# Altium PCB stencil V1.0.PcbDoc (part 5 of 5)
Units mm, origin at the board's own origin, x right, y up, seen from the top; angles counter-clockwise.
Board outline 220 x 90 mm, 2 copper layers (Top Layer, Bottom Layer); 265 components, 68 nets, 1316 pads, 556 vias.
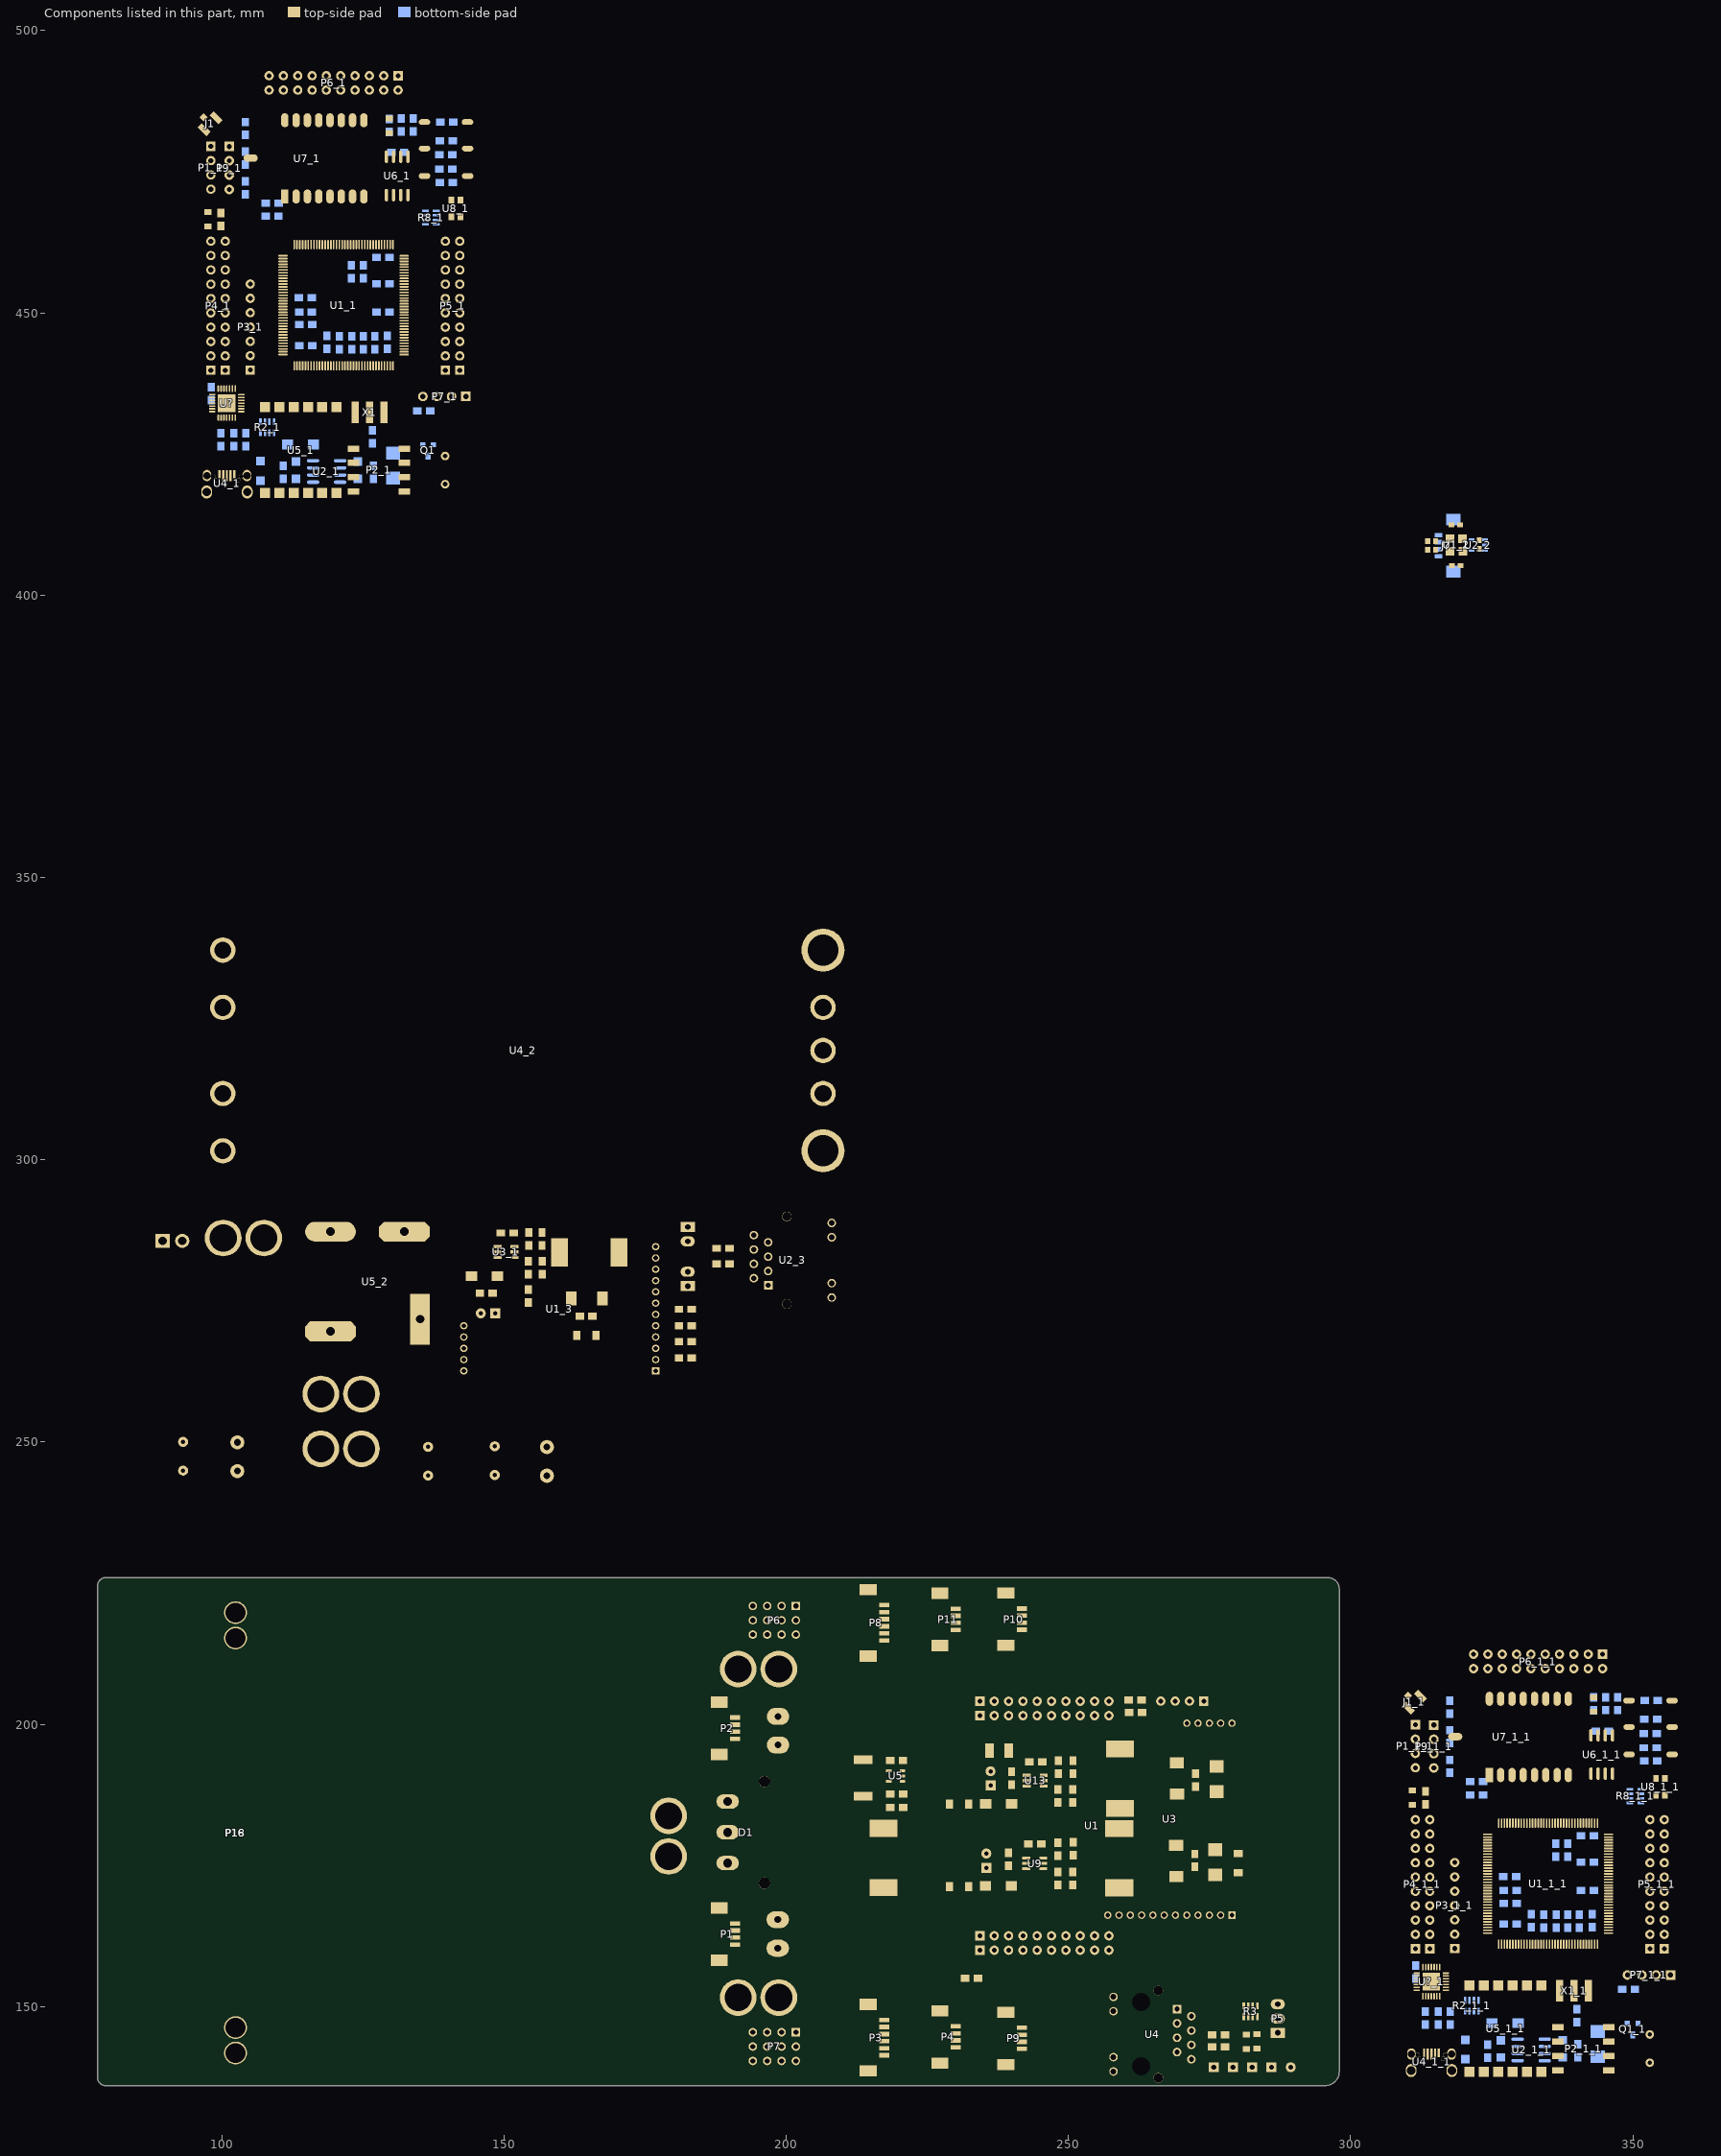
[diagram p5: the components of this part, seen from the top]

## Silkscreen, mask and mechanical layers (free items; w line width, h text height)
Top Overlay:
  drawing of 187 lines, arcs and shapes, not listed
  text "-" at 109.434,493.498 h3.81 r90
  text "E3" at 111.298,493.495 h1.52 r90
  text "A6" at 113.849,493.496 h1.52 r90
  text "B6" at 116.401,493.495 h1.52 r90
  text "C9" at 118.952,493.496 h1.52 r90
  text "C7" at 121.504,493.496 h1.52 r90
  text "C6" at 124.055,493.496 h1.52 r90
  text "A4" at 126.621,493.496 h1.52 r90
  text "D7" at 129.172,493.495 h1.52 r90
  text "3.3" at 131.811,493.434 h1.52 r90
  text "-" at 132.09,487.102 h3.81 r90
  text "E1" at 111.302,486.882 h1.52 r90
  text "E5" at 116.393,486.731 h1.52 r90
  text "E2" at 123.95,486.731 h1.52 r90
  text "E0" at 108.773,486.703 h1.52 r90
  text "E6" at 113.802,486.703 h1.52 r90
  text "B7" at 126.515,486.581 h1.52 r90
  text "C8" at 121.472,486.533 h1.52 r90
  text "D6" at 129.066,486.45 h1.52 r90
  text "C11" at 118.882,486.042 h1.52 r90
  text "3.3" at 96.632,478.702 h1.52 r90
  text "3.3" at 103.896,478.499 h1.52 r90
  text "-" at 104.303,476.39 h3.81 r90
  text "SDO" at 96.48,475.781 h1.52 r90
  text "D3" at 103.846,473.723 h1.52 r90
  text "SCK" at 96.505,473.038 h1.52 r90
  text "-" at 96.911,471.412 h3.81 r90
  text "D4" at 103.846,471.158 h1.52 r90
  text "集 / 美 / 大 / 学" at 125.334,464.986 h4.57 r90
  text "D12" at 103.211,461.963 h1.52 r90
  text "E13" at 144.638,461.938 h1.52 r90
  text "E14" at 137.958,461.836 h1.52 r90
  text "D13" at 96.429,461.785 h1.52 r90
  text "E11" at 144.638,459.406 h1.52 r90
  text "E12" at 137.958,459.347 h1.52 r90
  text "D14" at 103.185,459.322 h1.52 r90
  text "D15" at 96.429,459.195 h1.52 r90
  text "E10" at 137.958,456.858 h1.52 r90
  text "E9" at 144.634,456.875 h1.52 r90
  text "A15" at 103.16,456.604 h1.52 r90
  text "C12" at 96.429,456.578 h1.52 r90
  text "-" at 107.91,454.699 h3.81 r90
  text "B1" at 137.958,454.369 h1.52 r90
  text "B0" at 144.634,454.343 h1.52 r90
  text "D0" at 103.134,454.318 h1.52 r90
  text "D1" at 96.429,454.292 h1.52 r90
  text "G9" at 96.429,451.93 h1.52 r90
  text "C5" at 137.954,451.881 h1.52 r90
  text "C4" at 144.634,451.813 h1.52 r90
  text "D2" at 103.181,451.752 h1.52 r90
  text "G10" at 107.63,451.702 h1.52 r90
  text "B3" at 96.425,449.403 h1.52 r90
  text "A5" at 137.938,449.392 h1.52 r90
  text "A9" at 144.638,449.282 h1.52 r90
  text "G11" at 107.63,449.111 h1.52 r90
  text "G14" at 103.185,448.857 h1.52 r90
  text "B5" at 96.409,446.876 h1.52 r90
  text "C3" at 144.634,446.75 h1.52 r90
  text "B4" at 103.134,446.622 h1.52 r90
  text "A10" at 137.983,446.571 h1.52 r90
  text "G12" at 107.605,446.52 h1.52 r90
  text "-" at 103.617,444.463 h3.81 r90
  text "C2" at 137.954,444.413 h1.52 r90
  text "C1" at 144.638,444.218 h1.52 r90
  text "3.3" at 96.581,444.132 h1.52 r90
  text "G13" at 107.63,443.904 h1.52 r90
  text "-" at 103.642,441.999 h3.81 r90
  text "F9" at 137.954,441.923 h1.52 r90
  text "5V" at 96.409,441.821 h1.52 r90
  text "F8" at 144.634,441.686 h1.52 r90
  text "3.3" at 107.681,441.44 h1.52 r90
  text "F7" at 137.938,439.433 h1.52 r90
  text "-" at 108.113,439.332 h3.81 r90
  text "F6" at 144.634,439.154 h1.52 r90
  text "BT0" at 103.287,438.824 h1.52 r90
  text "A9" at 141.514,437.782 h1.52 r180
  text "A10" at 139.406,437.757 h1.52 r180
  text "+5" at 136.027,436.792 h1.52 r90
  text "-" at 144.206,436.792 h3.81 r90
  text "24/48V" at 96.429,436.665 h1.52 r90
  text "RX" at 138.72,432.321 h1.52 r90
  text "TX" at 141.107,432.296 h1.52 r90
  text "自 / 强 / 不 / 息" at 144.917,430.086 h2.54 r90
  text "1" at 126.934,428.511 h2.54 r90
  text "0" at 130.897,428.308 h2.54 r90
  text "X" at 100.909,428.263 h0.89 r270
  text "传 / 承 / 创 / 新" at 140.98,427.394 h2.54 r90
  text "E8" at 143.444,426.962 h1.52 r90
  text "Y" at 99.41,426.434 h0.89 r90
  text "BT1" at 134.427,425.006 h1.52 r90
  text "Z" at 103.719,423.965 h0.89 r270
  text "F3" at 134.427,422.923 h1.52 r90
  text "F5" at 134.478,420.256 h1.52 r90
  text "F4" at 134.554,417.843 h1.52 r90
  text "+220V" at 94.373,325.545 h5.08 r90
  text "+" at 185.153,284.346 h2.03
  text "+" at 185.254,276.803 h2.03
  text "集美大学" at 182.058,253.846 h7.62 r30
  text "V2.0" at 205.058,252.846 h5.08 r30
  text "ROV电源控制板" at 172.714,240.586 h7 r30
  text "92 (mm)" at 119.15,227.986 h1.52
  text "P" at 182.515,225.47 h1.35 r270
  text "设" at 184.276,225.193 h1.35 r270
  text "编" at 186.036,225.193 h1.35 r270
  text "W" at 182.515,224.636 h1.35 r270
  text "备" at 184.276,223.803 h1.35 r270
  text "号" at 186.036,223.803 h1.35 r270
  text "M" at 182.515,223.339 h1.35 r270
  text "①" at 193.2,223.1 h2.03
  text "②" at 195.767,223.1 h2.03
  text "③" at 198.333,223.1 h2.03
  text "④" at 200.9,223.1 h2.03
  text "左" at 184.276,221.865 h1.35 r270
  text "E" at 182.515,221.588 h1.35 r270
  text "①" at 186.036,221.218 h1.35 r270
  text "1" at 182.515,220.846 h1.35 r270
  text "+3.3V" at 218.695,220.574 h1.52
  text "下" at 184.276,220.475 h1.35 r270
  text "1" at 182.515,220.105 h1.35 r270
  text "S" at 203.5,220.1 h2.03
  text "+3.3V" at 231.242,220.015 h1.52
  text "+3.3V" at 243.078,219.862 h1.52
  text "NSS(A15)" at 218.694,219.446 h1.52
  text "左" at 184.276,218.907 h1.35 r270
  text "RX(G9)" at 243.077,218.787 h1.52
  text "D" at 182.515,218.722 h1.35 r270
  text "D0" at 231.24,218.717 h1.52
  text "SCK(B3)" at 218.694,218.191 h1.52
  text "②" at 186.036,218.167 h1.35 r270
  text "1" at 182.515,217.703 h1.35 r270
  text "④24V" at 203.4,217.7 h2.03
  text "TX(G14)" at 243.077,217.585 h1.52
  text "中" at 184.276,217.517 h1.35 r270
  text "D1" at 231.24,217.413 h1.52
  text "2" at 182.515,216.961 h1.35 r270
  text "MISO(B4)" at 218.694,216.936 h1.52
  text "GND" at 243.077,216.256 h1.52
  text "GND" at 231.24,216.129 h1.52
  text "左" at 184.276,215.949 h1.35 r270
  text "左上" at 147.81,215.748 h3.81
  text "E" at 182.515,215.671 h1.35 r270
  text "MOSI(B5)" at 218.694,215.681 h1.52
  text "③" at 186.036,215.301 h1.35 r270
  text "1" at 182.515,214.93 h1.35 r270
  text "-" at 203.5,214.9 h3.05
  text "上" at 184.276,214.558 h1.35 r270
  text "GND" at 218.694,214.3 h1.52
  text "3" at 182.515,214.188 h1.35 r270
  text "-" at 322.834,213.898 h3.81 r90
  text "E3" at 324.698,213.895 h1.52 r90
  text "A6" at 327.249,213.896 h1.52 r90
  text "B6" at 329.801,213.895 h1.52 r90
  text "C9" at 332.352,213.896 h1.52 r90
  text "C7" at 334.904,213.896 h1.52 r90
  text "C6" at 337.455,213.896 h1.52 r90
  text "A4" at 340.021,213.896 h1.52 r90
  text "D7" at 342.572,213.895 h1.52 r90
  text "3.3" at 345.211,213.834 h1.52 r90
  text "机" at 184.276,212.99 h1.35 r270
  text "D" at 182.515,212.158 h1.35 r270
  text "械" at 184.276,211.6 h1.35 r270
  text "④" at 186.036,211.604 h1.35 r270
  text "1" at 182.515,211.139 h1.35 r270
  text "4" at 182.515,210.398 h1.35 r270
  text "臂" at 184.276,210.21 h1.35 r270
  text "E13" at 162.916,209.88 h3.81
  text "①" at 138.405,209.042 h5.08
  text "-" at 345.49,207.502 h3.81 r90
  text "E1" at 324.702,207.282 h1.52 r90
  text "↑" at 185.3,207.2 h2.03 r318.81
  text "E5" at 329.793,207.131 h1.52 r90
  text "E2" at 337.35,207.131 h1.52 r90
  text "E0" at 322.173,207.103 h1.52 r90
  text "E6" at 327.202,207.103 h1.52 r90
  text "B7" at 339.915,206.981 h1.52 r90
  text "C8" at 334.872,206.933 h1.52 r90
  text "D6" at 342.466,206.85 h1.52 r90
  text "C11" at 332.282,206.442 h1.52 r90
  text "12V" at 201.6,203.4 h2.03 r270
  text "预" at 179.393,203.207 h2.22 r270
  text "12V" at 190.5,203 h2.03
  text "U" at 170.697,201.515 h2.22 r270
  text "留" at 179.393,200.919 h2.22 r270
  text "3.3" at 182.6,200.8 h1.52
  text "I" at 173.596,200.131 h2.22 r270
  text "S" at 176.494,200.131 h2.22 r270
  text "A" at 170.697,199.837 h2.22 r270
  text "2" at 173.596,199.521 h2.22 r270
  text "SDO" at 182.6,199.5 h1.52
  text "3.3" at 310.032,199.102 h1.52 r90
  text "P" at 176.494,198.91 h2.22 r270
  text "3.3" at 317.296,198.899 h1.52 r90
  text "接" at 179.393,198.63 h2.22 r270
  text "R" at 170.697,198.312 h2.22 r270
  text "C" at 173.596,198.3 h2.22 r270
  text "SCK" at 182.6,198.3 h1.52
  text "GND" at 201.6,198 h2.03 r270
  text "I" at 176.494,197.537 h2.22 r270
  text "GND" at 182.6,197 h1.52
  text "T" at 170.697,196.938 h2.22 r270
  text "-" at 317.703,196.79 h3.81 r90
  text "口" at 179.393,196.342 h2.22 r270
  text "SDO" at 309.88,196.181 h1.52 r90
  text "↑" at 184.1,194.6 h2.03 r303.69
  text "D3" at 317.246,194.123 h1.52 r90
  text "SCK" at 309.905,193.438 h1.52 r90
  text "-" at 310.311,191.812 h3.81 r90
  text "D4" at 317.246,191.558 h1.52 r90
  text "90 (mm)" at 74.13,185.949 h1.52 r270.06
  text "左中" at 148.04,185.87 h3.81
  text "集 / 美 / 大 / 学" at 338.734,185.386 h4.57 r90
  text "D12" at 316.611,182.363 h1.52 r90
  text "E13" at 358.038,182.338 h1.52 r90
  text "E14" at 351.358,182.236 h1.52 r90
  text "D13" at 309.829,182.185 h1.52 r90
  text "↑" at 173,181.6 h2.03 r270
  text "E11" at 358.038,179.806 h1.52 r90
  text "E12" at 351.358,179.747 h1.52 r90
  text "D14" at 316.585,179.722 h1.52 r90
  text "D15" at 309.829,179.595 h1.52 r90
  text "D12" at 162.839,178.867 h3.81
  text "②" at 138.252,178.816 h5.08
  text "E10" at 351.358,177.258 h1.52 r90
  text "E9" at 358.034,177.275 h1.52 r90
  text "A15" at 316.56,177.004 h1.52 r90
  text "C12" at 309.829,176.978 h1.52 r90
  text "-" at 321.31,175.099 h3.81 r90
  text "B1" at 351.358,174.769 h1.52 r90
  text "B0" at 358.034,174.743 h1.52 r90
  text "D0" at 316.534,174.718 h1.52 r90
  text "D1" at 309.829,174.692 h1.52 r90
  text "垂推" at 148.209,173.152 h3.81
  text "G9" at 309.829,172.33 h1.52 r90
  text "C5" at 351.354,172.281 h1.52 r90
  text "C4" at 358.034,172.213 h1.52 r90
  text "D2" at 316.581,172.152 h1.52 r90
  text "G10" at 321.03,172.102 h1.52 r90
  text "B3" at 309.825,169.803 h1.52 r90
  text "A5" at 351.338,169.792 h1.52 r90
  text "变" at 176.761,169.732 h2.25 r270
  text "A9" at 358.038,169.682 h1.52 r90
  text "G11" at 321.03,169.511 h1.52 r90
  text "G14" at 316.585,169.257 h1.52 r90
  text "4" at 170.875,168.65 h2.25 r270
  text "预" at 179.704,168.65 h2.25 r270
  text "U" at 173.818,168.495 h2.25 r270
  text "路" at 170.875,167.411 h2.25 r270
  text "焦" at 176.761,167.409 h2.25 r270
  text "B5" at 309.809,167.276 h1.52 r90
  text "C3" at 358.034,167.15 h1.52 r90
  text "B4" at 316.534,167.022 h1.52 r90
  text "A10" at 351.383,166.971 h1.52 r90
  text "G12" at 321.005,166.92 h1.52 r90
  text "S" at 173.818,166.791 h2.25 r270
  text "5V" at 190.9,166.6 h2.03
  text "5V" at 201.7,166.4 h2.03 r270
  text "留" at 179.704,166.326 h2.25 r270
  text "B" at 173.818,165.552 h2.25 r270
  text "P" at 170.875,165.087 h2.25 r270
  text "摄" at 176.761,165.085 h2.25 r270
  text "-" at 317.017,164.863 h3.81 r90
  text "C2" at 351.354,164.813 h1.52 r90
  text "C1" at 358.038,164.618 h1.52 r90
  text "3.3" at 309.981,164.532 h1.52 r90
  text "3.3V" at 182.4,164.3 h1.52
  text "G13" at 321.03,164.304 h1.52 r90
  text "接" at 173.818,164.158 h2.25 r270
  text "接" at 179.704,164.003 h2.25 r270
  text "W" at 170.875,163.693 h2.25 r270
  text "SCL" at 183.1,163 h1.52
  text "像" at 176.761,162.762 h2.25 r270
  text "-" at 317.042,162.399 h3.81 r90
  text "F9" at 351.354,162.323 h1.52 r90
  text "5V" at 309.809,162.221 h1.52 r90
  text "F8" at 358.034,162.086 h1.52 r90
  text "GND" at 201.6,162 h2.03 r270
  text "3.3" at 321.081,161.84 h1.52 r90
  text "口" at 173.818,161.834 h2.25 r270
  text "SDA" at 183.1,161.7 h1.52
  text "口" at 179.704,161.679 h2.25 r270
  text "M" at 170.875,161.524 h2.25 r270
  text "头" at 176.761,160.438 h2.25 r270
  text "GND" at 183.1,160.3 h1.52
  text "F7" at 351.338,159.833 h1.52 r90
  text "-" at 321.513,159.732 h3.81 r90
  text "F6" at 358.034,159.554 h1.52 r90
  text "BT0" at 316.687,159.224 h1.52 r90
  text "A9" at 354.914,158.182 h1.52 r180
  text "A10" at 352.806,158.157 h1.52 r180
  text "↑" at 191.5,157.3 h2.03 r48.81
  text "+5" at 349.427,157.192 h1.52 r90
  text "-" at 357.606,157.192 h3.81 r90
  text "24/48V" at 309.829,157.065 h1.52 r90
  text "右上" at 147.814,155.626 h3.81
  text "↑" at 186.7,155.5 h2.03 r228.81
  text "P" at 182.488,153.245 h1.42 r270
  text "设" at 184.346,152.953 h1.42 r270
  text "编" at 186.203,152.953 h1.42 r270
  text "RX" at 352.12,152.721 h1.52 r90
  text "TX" at 354.507,152.696 h1.52 r90
  text "W" at 182.488,152.365 h1.42 r270
  text "-" at 287.553,152.019 h5.08 r270
  text "备" at 184.346,151.486 h1.42 r270
  text "号" at 186.203,151.486 h1.42 r270
  text "M" at 182.488,150.997 h1.42 r270
  text "自 / 强 / 不 / 息" at 358.317,150.486 h2.54 r90
  text "E9" at 163.373,149.631 h3.81
  text "右" at 184.346,149.442 h1.42 r270
  text "E" at 182.488,149.15 h1.42 r270
  text "+5" at 288.544,149.098 h2.54 r270
  text "1" at 340.334,148.911 h2.54 r90
  text "③" at 138.252,148.768 h5.08
  text "⑤" at 186.203,148.76 h1.42 r270
  text "0" at 344.297,148.708 h2.54 r90
  text "X" at 314.309,148.663 h0.89 r270
  text "+" at 290.5,148.4 h2.03 r270
  text "1" at 182.488,148.368 h1.42 r270
  text "下" at 184.346,147.976 h1.42 r270
  text "传 / 承 / 创 / 新" at 354.38,147.794 h2.54 r90
  text "4" at 182.488,147.586 h1.42 r270
  text "E8" at 356.844,147.362 h1.52 r90
  text "+5.0V" at 218.821,147.041 h1.52
  text "Y" at 312.81,146.834 h0.89 r90
  text "+5" at 288.493,146.355 h2.54 r270
  text "右" at 184.346,146.322 h1.42 r270
  text "D" at 182.488,146.127 h1.42 r270
  text "+" at 290.52,145.9 h2.03 r270
  text "+5.0V" at 231.343,145.872 h1.52
  text "D-" at 218.82,145.78 h1.52
  text "TIM3(B0)" at 243.002,145.72 h1.52
  text "⑥" at 186.203,145.542 h1.42 r270
  text "BT1" at 347.827,145.406 h1.52 r90
  text "1" at 182.488,145.052 h1.42 r270
  text "中" at 184.346,144.856 h1.42 r270
  text "S" at 203.4,144.7 h2.03
  text "D-" at 231.342,144.704 h1.52
  text "D+" at 218.82,144.53 h1.52
  text "TIM3(B1)" at 243.002,144.424 h1.52
  text "Z" at 317.119,144.365 h0.89 r270
  text "3" at 182.488,144.27 h1.42 r270
  text "D+" at 231.342,143.485 h1.52
  text "F3" at 347.827,143.323 h1.52 r90
  text "GND" at 218.82,143.292 h1.52
  text "右" at 184.346,143.202 h1.42 r270
  text "TIM10(F6)" at 243.002,143.18 h1.52
  text "E" at 182.488,142.52 h1.42 r270
  text "⑦" at 186.203,142.52 h1.42 r270
  text "⑧5V" at 203.4,142.3 h1.52
  text "GND" at 231.342,142.24 h1.52
  text "TX(C12)" at 218.7,142.1 h1.52
  text "TIM11(F7)" at 243.002,141.91 h1.52
  text "9" at 182.488,141.738 h1.42 r270
  text "上" at 184.346,141.736 h1.42 r270
  text "RX(D2)" at 218.82,140.919 h1.52
  text "F5" at 347.878,140.656 h1.52 r90
  text "云" at 184.346,139.79 h1.42 r270
  text "D" at 182.488,139.692 h1.42 r270
  text "-" at 203.4,139.4 h3.05
  text "⑧" at 186.203,139.107 h1.42 r270
  text "1" at 182.488,138.617 h1.42 r270
  text "台" at 184.346,138.323 h1.42 r270
  text "F4" at 347.954,138.243 h1.52 r90
  text "5" at 182.488,137.835 h1.42 r270
  text "⑤" at 193.1,137.2 h2.03
  text "⑥" at 195.633,137.2 h2.03
  text "⑦" at 198.167,137.2 h2.03
  text "⑧" at 200.7,137.2 h2.03
  text "220 (mm)" at 182.388,132.986 h1.52
Bottom Overlay:
  lines w0.254: 109.322,471.302 109.957,471.937 ; 109.932,470.641 109.297,471.276 113.31,471.276 113.31,475.416 ; 111.76,471.276 ccw(c113.31,471.276) 114.004,472.663 ; 112.675,474.781 113.31,475.416 ; 113.945,474.781 113.31,475.416 ; 114.006,472.194 113.564,472.8 114.34,473.027 ; 322.722,191.702 323.357,192.337 ; 323.332,191.041 322.697,191.676 326.71,191.676 326.71,195.816 ; 325.16,191.676 ccw(c326.71,191.676) 327.404,193.063 ; 326.075,195.181 326.71,195.816 ; 327.345,195.181 326.71,195.816 ; 327.406,192.594 326.964,193.2 327.74,193.427
  text "3.3" at 131.811,495.186 h1.52 r90
  text "A4" at 126.669,495.051 h1.52 r90
  text "A6" at 113.954,495.023 h1.52 r90
  text "D7" at 129.209,494.968 h1.52 r90
  text "C7" at 121.574,494.886 h1.52 r90
  text "C6" at 124.114,494.893 h1.52 r90
  text "C9" at 119.034,494.879 h1.52 r90
  text "B6" at 116.494,494.851 h1.52 r90
  text "E3" at 111.413,494.693 h1.52 r90
  text "-" at 109.561,494.323 h3.81 r90
  text "E0" at 108.824,487.871 h1.52 r90
  text "E1" at 111.353,487.871 h1.52 r90
  text "E6" at 113.853,487.871 h1.52 r90
  text "E5" at 116.367,487.871 h1.52 r90
  text "E2" at 123.925,487.871 h1.52 r90
  text "B7" at 126.439,487.871 h1.52 r90
  text "D6" at 128.939,487.871 h1.52 r90
  text "C11" at 118.882,487.87 h1.52 r90
  text "C8" at 121.396,487.87 h1.52 r90
  text "-" at 132.141,487.868 h3.81 r90
  text "X" at 111.964,474.273 h0.89 r270
  text "Y" at 110.465,472.445 h0.89 r90
  text "Z" at 115.276,470.726 h0.89 r270
  text "D12" at 103.211,464.071 h1.52 r90
  text "D13" at 96.378,463.894 h1.52 r90
  text "E14" at 137.983,463.767 h1.52 r90
  text "E13" at 144.613,463.69 h1.52 r90
  text "D14" at 103.134,461.404 h1.52 r90
  text "D15" at 96.378,461.379 h1.52 r90
  text "E12" at 137.932,461.201 h1.52 r90
  text "E11" at 144.613,461.15 h1.52 r90
  text "A15" at 103.185,458.788 h1.52 r90
  text "E10" at 137.958,458.712 h1.52 r90
  text "C12" at 96.429,458.534 h1.52 r90
  text "E9" at 144.638,458.204 h1.52 r90
  text "B0" at 144.608,455.867 h1.52 r90
  text "D0" at 103.16,455.816 h1.52 r90
  text "D1" at 96.48,455.664 h1.52 r90
  text "B1" at 137.983,455.588 h1.52 r90
  text "G9" at 96.403,453.378 h1.52 r90
  text "C4" at 144.608,453.337 h1.52 r90
  text "C5" at 137.979,453.278 h1.52 r90
  text "D2" at 103.16,453.226 h1.52 r90
  text "G14" at 103.185,451.117 h1.52 r90
  text "A5" at 137.963,450.789 h1.52 r90
  text "A9" at 144.613,450.806 h1.52 r90
  text "B3" at 96.429,450.686 h1.52 r90
  text "A10" at 137.958,448.806 h1.52 r90
  text "C3" at 144.608,448.274 h1.52 r90
  text "B5" at 96.378,448.247 h1.52 r90
  text "B4" at 103.134,447.968 h1.52 r90
  text "3.3" at 96.581,445.885 h1.52 r90
  text "C2" at 137.979,445.81 h1.52 r90
  text "C1" at 144.613,445.742 h1.52 r90
  text "-" at 103.617,445.326 h3.81 r90
  text "5V" at 96.384,443.37 h1.52 r90
  text "F9" at 137.979,443.32 h1.52 r90
  text "F8" at 144.608,443.21 h1.52 r90
  text "-" at 103.642,442.862 h3.81 r90
  text "BT0" at 103.312,440.983 h1.52 r90
  text "F7" at 137.963,440.83 h1.52 r90
  text "F6" at 144.608,440.678 h1.52 r90
  text "24/48V" at 96.403,440.653 h1.52 r90
  text "+5" at 136.053,438.214 h1.52 r90
  text "TX" at 141.336,438.214 h1.52 r90
  text "RX" at 138.644,438.189 h1.52 r90
  text "-" at 144.181,437.655 h3.81 r90
  text "USART1" at 144.409,432.779 h1.52
  text "VCC" at 314.941,410.203 h1.27
  text "SCL" at 314.814,408.679 h1.27
  text "SDA" at 314.814,407.663 h1.27
  text "GND" at 314.687,406.52 h1.27
  text "3.3" at 345.211,215.586 h1.52 r90
  text "A4" at 340.069,215.451 h1.52 r90
  text "A6" at 327.354,215.423 h1.52 r90
  text "D7" at 342.609,215.368 h1.52 r90
  text "C9" at 332.434,215.279 h1.52 r90
  text "C7" at 334.974,215.286 h1.52 r90
  text "C6" at 337.514,215.293 h1.52 r90
  text "B6" at 329.894,215.251 h1.52 r90
  text "E3" at 324.813,215.093 h1.52 r90
  text "-" at 322.961,214.723 h3.81 r90
  text "④" at 138.379,212.649 h5.08 r180
  text "E11" at 162.992,212.471 h3.81 r180
  text "E0" at 322.224,208.271 h1.52 r90
  text "E1" at 324.753,208.271 h1.52 r90
  text "E6" at 327.253,208.271 h1.52 r90
  text "E5" at 329.767,208.271 h1.52 r90
  text "C11" at 332.282,208.27 h1.52 r90
  text "C8" at 334.796,208.27 h1.52 r90
  text "E2" at 337.325,208.271 h1.52 r90
  text "B7" at 339.839,208.271 h1.52 r90
  text "D6" at 342.339,208.271 h1.52 r90
  text "-" at 345.541,208.268 h3.81 r90
  text "左下" at 147.824,206.502 h3.81 r180
  text "X" at 325.364,194.673 h0.89 r270
  text "Y" at 323.865,192.845 h0.89 r90
  text "Z" at 328.676,191.126 h0.89 r270
  text "垂推" at 147.828,188.722 h3.81 r180
  text "D12" at 316.611,184.471 h1.52 r90
  text "D13" at 309.778,184.294 h1.52 r90
  text "E14" at 351.383,184.167 h1.52 r90
  text "E13" at 358.013,184.09 h1.52 r90
  text "⑤" at 138.252,182.372 h5.08 r180
  text "D14" at 316.534,181.804 h1.52 r90
  text "D15" at 309.778,181.779 h1.52 r90
  text "D13" at 162.789,181.712 h3.81 r180
  text "E12" at 351.332,181.601 h1.52 r90
  text "E11" at 358.013,181.55 h1.52 r90
  text "A15" at 316.585,179.188 h1.52 r90
  text "E10" at 351.358,179.112 h1.52 r90
  text "C12" at 309.829,178.934 h1.52 r90
  text "E9" at 358.038,178.604 h1.52 r90
  text "右中" at 148.043,176.686 h3.81 r180
  text "B0" at 358.008,176.267 h1.52 r90
  text "D0" at 316.56,176.216 h1.52 r90
  text "D1" at 309.88,176.064 h1.52 r90
  text "B1" at 351.383,175.988 h1.52 r90
  text "G9" at 309.803,173.778 h1.52 r90
  text "C4" at 358.008,173.737 h1.52 r90
  text "C5" at 351.379,173.678 h1.52 r90
  text "D2" at 316.56,173.626 h1.52 r90
  text "G14" at 316.585,171.517 h1.52 r90
  text "A5" at 351.363,171.189 h1.52 r90
  text "A9" at 358.013,171.206 h1.52 r90
  text "B3" at 309.829,171.086 h1.52 r90
  text "A10" at 351.358,169.206 h1.52 r90
  text "C3" at 358.008,168.674 h1.52 r90
  text "B5" at 309.778,168.647 h1.52 r90
  text "B4" at 316.534,168.368 h1.52 r90
  text "3.3" at 309.981,166.285 h1.52 r90
  text "C2" at 351.379,166.21 h1.52 r90
  text "C1" at 358.013,166.142 h1.52 r90
  text "-" at 317.017,165.726 h3.81 r90
  text "5V" at 309.784,163.77 h1.52 r90
  text "F9" at 351.379,163.72 h1.52 r90
  text "F8" at 358.008,163.61 h1.52 r90
  text "-" at 317.042,163.262 h3.81 r90
  text "BT0" at 316.712,161.383 h1.52 r90
  text "F7" at 351.363,161.23 h1.52 r90
  text "F6" at 358.008,161.078 h1.52 r90
  text "24/48V" at 309.803,161.053 h1.52 r90
  text "+5" at 349.453,158.614 h1.52 r90
  text "TX" at 354.736,158.614 h1.52 r90
  text "RX" at 352.044,158.589 h1.52 r90
  text "-" at 357.581,158.055 h3.81 r90
  text "USART1" at 357.809,153.179 h1.52
  text "E14" at 163.398,152.4 h3.81 r180
  text "⑥" at 138.074,152.248 h5.08 r180
  text "." at 138.43,148.082 h5.08 r180
  text "右下" at 147.828,146.837 h3.81 r180
Top Solder:
  text "诚以待人" at 292.894,223.037 h3.81 r270
  text "传承创新" at 80.012,222.072 h3.81 r270
  text "集美大学" at 263,218 h7.62
  text "iRobot" at 270,212 h6.35
  text "毅以处事" at 292.97,153.391 h3.81 r270
  text "自强不息" at 79.733,153.289 h3.81 r270
Bottom Solder:
  lines w0.254: 145.868,137.452 cw(c144.327,137.532) 144.247,135.992 158.081,135.992 158.09,136 cw(c158.055,137.487) 156.568,137.452 ; 146.86,224.549 ccw(c145.374,224.514) 145.339,226.001 145.347,226.009 159.182,226.009 ccw(c159.101,224.468) 157.56,224.549

## Text inside footprints (layer, text, board x,y; h text height)
1: Top Overlay "1918" at 255.759,215.109 h1.27
1_1: Top Overlay "+" at 124.066,242.921 h3; Top Overlay "+" at 123.075,244.597 h2.03; Top Overlay "-" at 119.189,244.8 h2.03
C4_2: Top Overlay "+" at 147.789,271.9 h2 r180
C7: Top Overlay "+" at 234.568,175.235 h2 r90
C12: Top Overlay "+" at 235.305,189.814 h2 r90
Designator52: Top Overlay "1918" at 99.949,267.586 h1.27 r90
LOGO: Bottom Overlay "1918" at 126.828,473.137 h1.27 r90
LOGO_1: Bottom Overlay "1918" at 340.228,193.537 h1.27 r90
P1_2: Top Overlay "+" at 106.781,280.253 h3; Top Overlay "+" at 105.79,281.929 h2.03; Top Overlay "-" at 101.904,282.132 h2.03
P3_2: Top Overlay "+" at 124.066,252.624 h3; Top Overlay "+" at 123.075,254.3 h2.03; Top Overlay "-" at 119.189,254.503 h2.03
P12: Top Overlay "V" at 194.256,160.851 h1.27 r270; Top Overlay "V" at 194.256,165.904 h1.27 r270
P13: Top Overlay "V" at 194.305,196.844 h1.27 r270; Top Overlay "V" at 194.305,201.897 h1.27 r270
P14: Top Overlay "+" at 198.006,203.907 h3; Top Overlay "+" at 197.016,205.584 h2.03; Top Overlay "-" at 193.129,205.787 h2.03
P15: Top Overlay "+" at 173.304,177.317 h3 r270; Top Overlay "+" at 174.981,178.308 h2.03 r270; Top Overlay "-" at 175.184,182.194 h2.03 r270
P16: Bottom Overlay "Electric Wire Connector" at 100.106,148.788 h6 r270
P17: Top Overlay "+" at 197.016,147.396 h2.03; Top Overlay "-" at 193.129,147.599 h2.03
P18: Top Overlay "Electric Wire Connector" at 100.2,212.8 h6 r270
U1: Top Overlay "-" at 265.892,205.296 h3.81; Top Overlay "SCK" at 267.517,205.702 h1.52; Top Overlay "SDO" at 270.261,205.728 h1.52; Top Overlay "F6" at 233.634,157.549 h1.52; Top Overlay "F8" at 236.165,157.549 h1.52; Top Overlay "A9" at 243.761,157.544 h1.52; Top Overlay "B0" at 248.823,157.549 h1.52; Top Overlay "E9" at 251.355,157.549 h1.52; Top Overlay "E11" at 253.886,157.544 h1.52; Top Overlay "E13" at 256.418,157.544 h1.52; Top Overlay "C1" at 238.698,157.544 h1.52; Top Overlay "C3" at 241.23,157.549 h1.52; Top Overlay "C4" at 246.293,157.549 h1.52; Top Overlay "24V" at 233.065,205.774 h1.52; Top Overlay "5V" at 236.301,205.788 h1.52; Top Overlay "BT0" at 233.304,198.896 h1.52; Top Overlay "-" at 236.479,198.335 h3.81; Top Overlay "-" at 238.915,198.335 h3.81; Top Overlay "B5" at 241.355,205.661 h1.52; Top Overlay "B3" at 243.883,205.661 h1.52; Top Overlay "B4" at 241.101,198.755 h1.52; Top Overlay "D2" at 246.355,198.755 h1.52; Top Overlay "D0" at 248.717,198.755 h1.52; Top Overlay "D1" at 248.996,205.647 h1.52; Top Overlay "C12" at 251.079,205.661 h1.52; Top Overlay "D15" at 253.928,205.661 h1.52; Top Overlay "D13" at 256.519,205.661 h1.52; Top Overlay "D12" at 256.646,198.755 h1.52; Top Overlay "D14" at 254.055,198.755 h1.52; Top Overlay "A15" at 251.13,198.769 h1.52; Top Overlay "C5" at 246.361,164.229 h1.52; Top Overlay "C2" at 238.893,164.229 h1.52; Top Overlay "F7" at 233.913,164.244 h1.52; Top Overlay "F9" at 236.402,164.229 h1.52; Top Overlay "A10" at 241.051,164.199 h1.52; Top Overlay "A5" at 243.871,164.244 h1.52; Top Overlay "B1" at 248.848,164.225 h1.52; Top Overlay "E10" at 251.338,164.225 h1.52; Top Overlay "E12" at 253.827,164.225 h1.52; Top Overlay "E14" at 256.316,164.225 h1.52; Top Overlay "G14" at 243.256,198.769 h1.52; Top Overlay "G9" at 246.355,205.661 h1.52; Top Overlay "3.3" at 273.182,205.575 h1.52; Top Overlay "3.3" at 238.612,205.647 h1.52
U1_1: Top Overlay "LQFP144" at 113.701,444.031 h1.52 r90
U1_1_1: Top Overlay "LQFP144" at 327.101,164.431 h1.52 r90
U1_3: Top Overlay "GND" at 175.323,263.012 h1.52 r180; Top Overlay "RST" at 175.424,265.119 h1.52 r180; Top Overlay "ETH" at 175.424,267.139 h1.52 r180; Top Overlay "PLC" at 175.424,269.132 h1.52 r180; Top Overlay "PWR" at 175.424,271.153 h1.52 r180; Top Overlay "3.3V" at 175.424,273.145 h1.52 r180; Top Overlay "TXP" at 175.423,275.166 h1.52 r180; Top Overlay "TXN" at 175.423,277.172 h1.52 r180; Top Overlay "RXP" at 175.424,279.179 h1.52 r180; Top Overlay "RXN" at 175.424,281.186 h1.52 r180; Top Overlay "12V" at 175.324,283.092 h1.52 r180; Top Overlay "GND" at 175.323,285.085 h1.52 r180; Top Overlay "AC/N" at 147.002,262.86 h1.4 r180; Top Overlay "AC/L" at 146.723,271.064 h1.4 r180; Top Overlay "NC" at 145.808,264.993 h1.4 r180; Top Overlay "NC" at 145.783,266.949 h1.4 r180
U3: Bottom Overlay "GND" at 278.587,167.792 h1.52 r270; Bottom Overlay "RST" at 276.481,167.691 h1.52 r270; Bottom Overlay "ETH" at 274.46,167.691 h1.52 r270; Bottom Overlay "PLC" at 272.467,167.691 h1.52 r270; Bottom Overlay "PWR" at 270.447,167.691 h1.52 r270; Bottom Overlay "3.3V" at 268.454,167.691 h1.52 r270; Bottom Overlay "TXP" at 266.434,167.692 h1.52 r270; Bottom Overlay "TXN" at 264.427,167.692 h1.52 r270; Bottom Overlay "RXP" at 262.42,167.691 h1.52 r270; Bottom Overlay "RXN" at 260.414,167.691 h1.52 r270; Bottom Overlay "12V" at 258.507,167.791 h1.52 r270; Bottom Overlay "GND" at 256.515,167.792 h1.52 r270; Bottom Overlay "AC/N" at 278.74,196.113 h1.4 r270; Bottom Overlay "AC/L" at 270.535,196.393 h1.4 r270; Bottom Overlay "NC" at 276.606,197.307 h1.4 r270; Bottom Overlay "NC" at 274.65,197.333 h1.4 r270
U4_2: Top Overlay "OUT / 24V" at 185.088,313.208 h7.62; Top Overlay "IN / 300V" at 120.216,312.954 h7.62; Top Overlay "+24V" at 201.522,327.254 h5.08 r90; Top Overlay "GND" at 201.522,303.759 h5.08 r90
U5_1: Top Overlay "Y" at 111.251,425.646 h0.89 r90; Top Overlay "X" at 112.749,427.475 h0.89 r270; Top Overlay "Z" at 115.903,424.47 h0.89 r270; Top Overlay "VCC" at 110.699,419.619 h0.89 r90; Top Overlay "VCC" at 110.699,429.525 h0.89 r90; Top Overlay "GND" at 118.319,419.619 h0.89 r90; Top Overlay "GND" at 118.319,429.525 h0.89 r90; Top Overlay "RX" at 113.239,419.873 h0.89 r90; Top Overlay "TX" at 115.779,419.873 h0.89 r90; Top Overlay "SDA" at 115.779,429.525 h0.89 r90; Top Overlay "SCL" at 113.239,429.525 h0.89 r90; Top Overlay "D0" at 108.159,419.619 h0.89 r90; Top Overlay "D1" at 120.859,419.873 h0.89 r90; Top Overlay "D2" at 108.159,429.525 h0.89 r90; Top Overlay "D3" at 120.859,429.779 h0.89 r90; Top Overlay "9轴" at 121.778,434.988 h1.52 r90
U5_1_1: Top Overlay "Y" at 324.651,146.046 h0.89 r90; Top Overlay "X" at 326.149,147.875 h0.89 r270; Top Overlay "Z" at 329.303,144.87 h0.89 r270; Top Overlay "VCC" at 324.099,140.019 h0.89 r90; Top Overlay "VCC" at 324.099,149.925 h0.89 r90; Top Overlay "GND" at 331.719,140.019 h0.89 r90; Top Overlay "GND" at 331.719,149.925 h0.89 r90; Top Overlay "RX" at 326.639,140.273 h0.89 r90; Top Overlay "TX" at 329.179,140.273 h0.89 r90; Top Overlay "SDA" at 329.179,149.925 h0.89 r90; Top Overlay "SCL" at 326.639,149.925 h0.89 r90; Top Overlay "D0" at 321.559,140.019 h0.89 r90; Top Overlay "D1" at 334.259,140.273 h0.89 r90; Top Overlay "D2" at 321.559,149.925 h0.89 r90; Top Overlay "D3" at 334.259,150.179 h0.89 r90; Top Overlay "9轴" at 335.178,155.388 h1.52 r90
U5_2: Top Overlay "+" at 133.261,274.823 h7.62 r90; Top Overlay "-" at 118.148,286.253 h12.7 r180; Top Overlay "~" at 129.324,286.888 h12.7 r180; Top Overlay "~" at 116.751,277.236 h12.7 r180
U6: Bottom Overlay "ESC" at 144.068,214.2 h8 r180
U7: Bottom Overlay "ESC" at 143.968,154.1 h8 r180
U7_1: Top Overlay "ATT" at 108.35,479.63 h1.52 r90
U7_1_1: Top Overlay "ATT" at 321.75,200.03 h1.52 r90
U8: Bottom Overlay "ESC" at 143.868,183.9 h8 r180
U10: Top Overlay "ESC" at 144.068,148 h8
U11: Top Overlay "ESC" at 144.068,177.65 h8
U12: Top Overlay "ESC" at 144.068,208.3 h8